# KiCad board AsicsBoard - 16xBM1368 - 01A.kicad_pcb (continued)
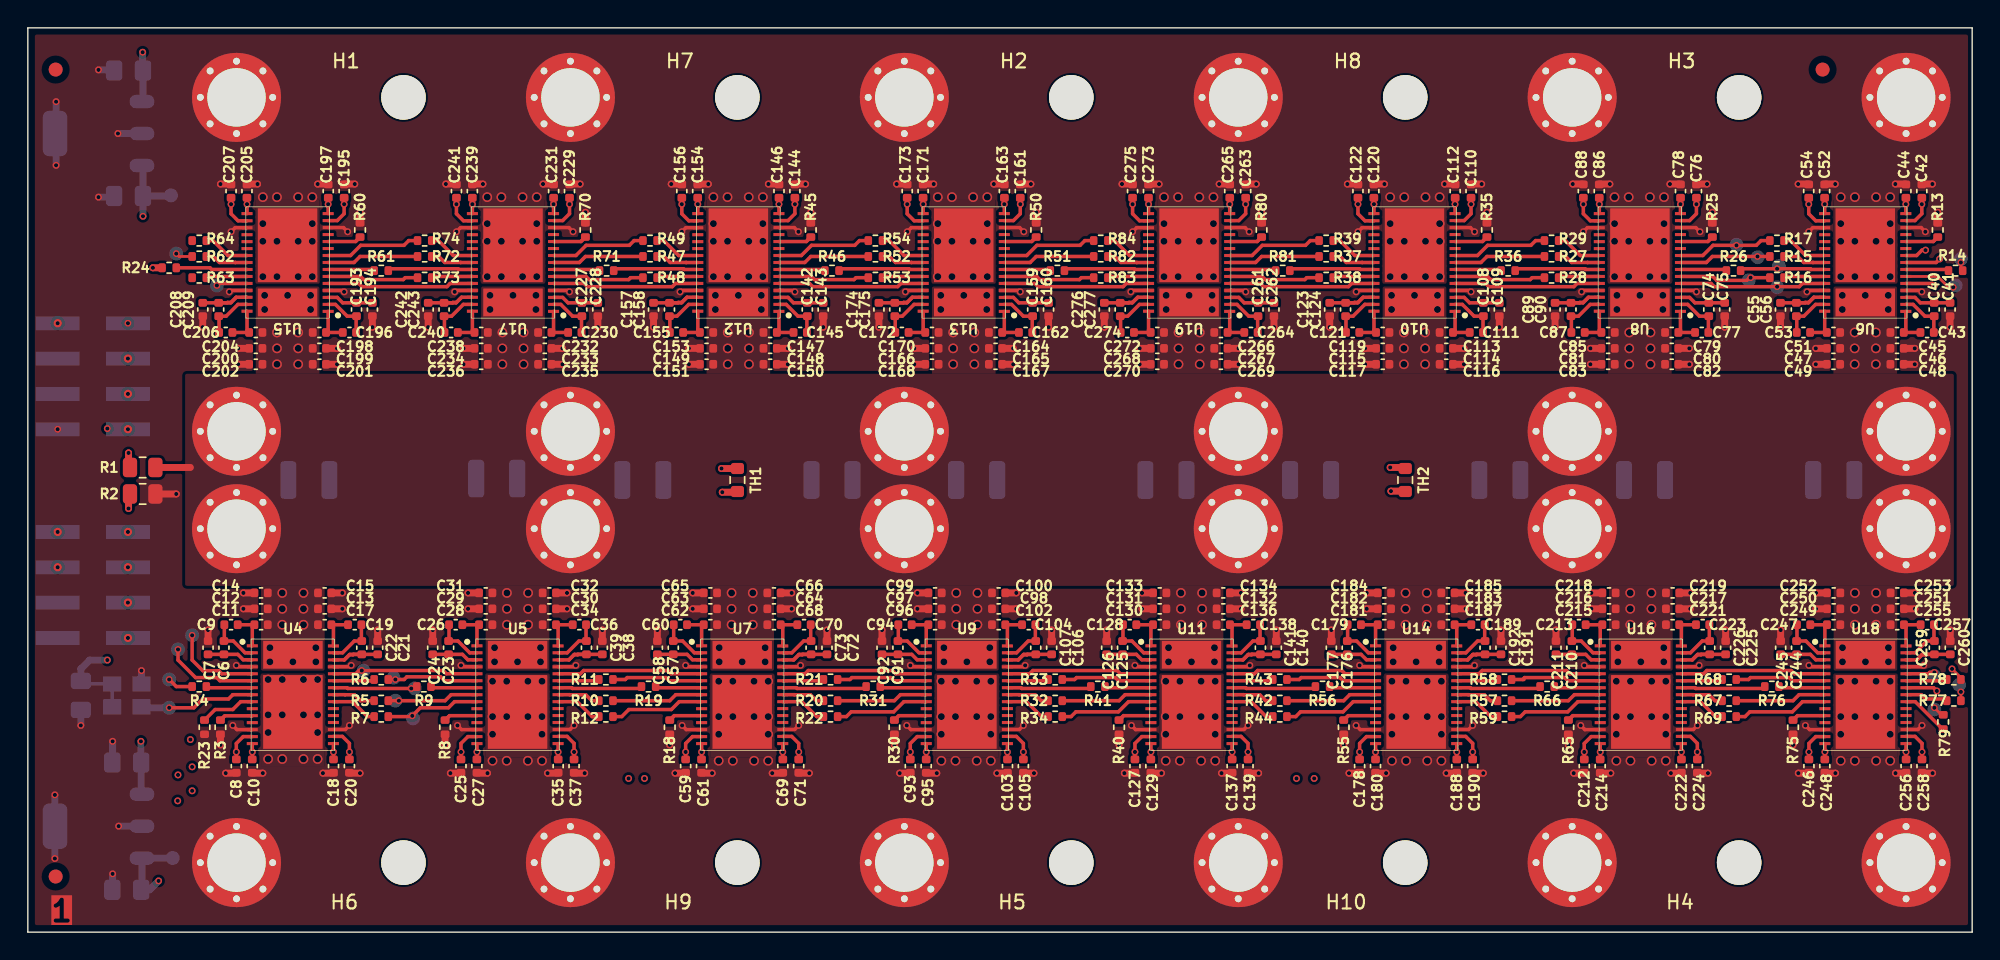
[diagram p0: board, top side]
## Routing (per net, layer and track width the routed paths; a pad name or vN(x,y) marks a point on that pad's centre or on a via; arc(x,y) is an arc through that point) (continued)
+1.2V: length 390.5
  Top w0.25: 112.95,51.65 v1(112.95,52.32) 112.95,52.78 ; 86.38,51.65 v1(86.38,52.32) 86.38,52.78 ; 48.15,52.78 v1(48.15,52.32) 48.15,51.65 ; 135,12.42 v1(135,12.95) U18.16 ; U4.15 v1(16.13,12.95) 16.13,12.42 ; U18.15 v1(129.16,12.95) 129.16,12.42 ; 15.75,52.78 v1(15.75,52.32) 15.75,51.65 ; 70.18,52.78 v1(70.18,52.32) 70.18,51.65 ; 21.59,51.65 v1(21.59,52.32) 21.59,52.78 ; 31.95,52.78 v1(31.95,52.32) 31.95,51.65 ; 129.15,52.78 v1(129.15,52.32) 129.15,51.65 ; 86.55,12.42 v1(86.55,12.95) U11.16 ; 48.43,12.42 v1(48.43,12.95) U7.15 ; 96.87,12.42 v1(96.87,12.95) U14.15 ; U16.16 v1(118.85,12.95) 118.85,12.42 ; 53.99,52.78 v1(53.99,52.32) 53.99,51.65 ; 102.58,51.65 v1(102.58,52.32) 102.58,52.78 ; U9.15 v1(64.58,12.95) 64.58,12.42 ; 113.02,12.42 v1(113.02,12.95) U16.15 ; 21.97,12.42 v1(21.97,12.95) U4.16 ; U11.15 v1(80.72,12.95) 80.72,12.42 ; 32.28,12.42 v1(32.28,12.95) U5.15 ; 80.55,52.78 v1(80.55,52.32) 80.55,51.65 ; 64.35,51.65 v1(64.35,52.32) 64.35,52.78 ; 37.79,52.78 v1(37.79,52.32) 37.79,51.65 ; 96.75,51.65 v1(96.75,52.32) 96.75,52.78 ; U7.16 v1(54.26,12.95) 54.26,12.42 ; U9.16 v1(70.41,12.95) 70.41,12.42 ; 134.98,51.65 v1(134.98,52.32) 134.98,52.78 ; 38.11,12.42 v1(38.11,12.95) U5.16 ; 102.7,12.42 v1(102.7,12.95) U14.16 ; 118.78,51.65 v1(118.78,52.32) 118.78,52.78
  Top w0.5: 9.65,47.75 v1(8.99,47.75)
  In1.Cu w0.25: v1(134.98,52.32) 134.98,44.09 138.53,40.55 138.53,24.48 135,20.95 v1(135,12.95)
  In1.Cu w0.5: v1(11.68,13.84) 13.27,12.25 15.43,12.25 v1(16.13,12.95) ; v2(7.19,36.15) 5.76,36.15 v1(5.72,36.19)
  In2.Cu w0.25: v1(16.13,12.95) 16.3,13.12 21.8,13.12 v1(21.97,12.95) 22.54,12.38 31.71,12.38 v1(32.28,12.95) 32.32,12.99 38.07,12.99 v1(38.11,12.95) 38.69,12.38 47.85,12.38 v1(48.43,12.95) 48.47,12.99 54.22,12.99 v1(54.26,12.95) 54.84,12.38 64,12.38 v1(64.58,12.95) 64.62,12.99 70.37,12.99 v1(70.41,12.95) 70.98,12.38 80.15,12.38 v1(80.72,12.95) 80.76,12.99 86.51,12.99 v1(86.55,12.95) 87.13,12.38 96.29,12.38 v1(96.87,12.95) 96.91,12.99 102.66,12.99 v1(102.7,12.95) 103.28,12.38 112.44,12.38 v1(113.02,12.95) 113.06,12.99 118.81,12.99 v1(118.85,12.95) 119.42,12.38 128.59,12.38 v1(129.16,12.95) 129.2,12.99 134.96,12.99 v1(135,12.95) ; v1(15.75,52.32) 15.92,52.16 21.42,52.16 v1(21.59,52.32) 22.16,52.9 31.38,52.9 v1(31.95,52.32) 32.12,52.16 37.62,52.16 v1(37.79,52.32) 38.36,52.9 47.58,52.9 v1(48.15,52.32) 48.32,52.16 53.82,52.16 v1(53.99,52.32) 54.56,52.9 63.78,52.9 v1(64.35,52.32) 64.52,52.16 70.02,52.16 v1(70.18,52.32) 70.76,52.9 79.98,52.9 v1(80.55,52.32) 80.72,52.16 86.22,52.16 v1(86.38,52.32) 86.96,52.9 96.18,52.9 v1(96.75,52.32) 96.92,52.16 102.42,52.16 v1(102.58,52.32) 103.16,52.9 112.38,52.9 v1(112.95,52.32) 113.12,52.16 118.62,52.16 v1(118.78,52.32) 119.36,52.9 128.58,52.9 v1(129.15,52.32) 129.32,52.16 134.82,52.16 v1(134.98,52.32)
  In2.Cu w0.5: v1(8.99,47.75) 8.99,50.74 v1(8.28,51.46) 5.72,48.89 v1(5.72,36.19) 5.72,18.54 10.41,13.84 v1(11.68,13.84)
  Bottom w0.25: U3.4 U3.1 4.02,17.84
  Bottom w0.5: v1(5.72,19.56) 4.44,19.56 3.81,18.92 C5.1 ; C4.1 v1(8.28,51.46) ; C4.1 10.24,52.92 ; C4.1 8.28,55.03
+5V_STDBY: length 61.7
  In2.Cu w0.5: v1(8.25,63.25) 4.57,59.56 4.57,55.73 2.14,53.3 v2(2.14,43.77) 4.06,41.85 4.06,17.78 v1(8.13,13.72)
  Bottom w0.5: v1(8.13,13.72) 8.13,12.21 ; C1.1 8.15,9.98 ; v1(8.25,63.25) 8.25,61.95 ; C2.1 8.28,59.78
/ASICs/ASICs_BM1368_1/BM1368-0/VDD1_0: length 3.3
  Top w0.25: U4.3 15.48,19.58 15.09,19.97 C6.2
/ASICs/ASICs_BM1368_1/BM1368-0/VDD1_1: length 4.8
  Top w0.25: 22.75,19.57 23.11,19.94 23.37,19.94 23.4,19.97 C22.1 ; 22.75,19.57 U4.28 ; 22.75,19.57 23.14,19.97 C21.2
/ASICs/ASICs_BM1368_1/BM1368-0/VDD2_0: length 3.5
  Top w0.25: U4.2 15.61,20.08 14.77,20.93 C7.2 ; C9.1 14.12,20.95
/ASICs/ASICs_BM1368_1/BM1368-0/VDD2_1: length 3.5
  Top w0.25: C21.1 23.47,20.93 22.62,20.08 U4.29 ; C19.2 23.97,20.95
/ASICs/ASICs_BM1368_1/BM1368-0/VDD3_0: length 2.6
  Top w0.25: U4.1 16.13,21.95 ; C11.1 15.08,22.1
/ASICs/ASICs_BM1368_1/BM1368-0/VDD3_1: length 2.6
  Top w0.25: U4.30 21.97,21.95 ; C17.2 C19.1
/ASICs/ASICs_BM1368_1/BM1368-1/VDD1_0: length 3.3
  Top w0.25: C23.2 31.24,19.97 31.63,19.58 U5.3
/ASICs/ASICs_BM1368_1/BM1368-1/VDD1_1: length 4.8
  Top w0.25: U5.28 38.89,19.57 ; 38.89,19.57 39.29,19.97 C38.2 ; 38.89,19.57 39.26,19.94 39.52,19.94 39.54,19.97 C39.1
/ASICs/ASICs_BM1368_1/BM1368-1/VDD2_0: length 3.5
  Top w0.25: C24.2 30.92,20.93 31.76,20.08 U5.2 ; C26.1 30.27,20.95
/ASICs/ASICs_BM1368_1/BM1368-1/VDD2_1: length 3.5
  Top w0.25: C38.1 39.61,20.93 38.77,20.08 U5.29 ; C36.2 40.12,20.95
/ASICs/ASICs_BM1368_1/BM1368-1/VDD3_0: length 2.6
  Top w0.25: C28.1 C26.2 ; U5.1 32.28,21.95
/ASICs/ASICs_BM1368_1/BM1368-1/VDD3_1: length 2.6
  Top w0.25: C34.2 C36.1 ; U5.30 38.11,21.95
/ASICs/ASICs_BM1368_1/BM1368-2/VDD1_0: length 3.3
  Top w0.25: C57.2 47.39,19.97 47.77,19.58 U7.3
/ASICs/ASICs_BM1368_1/BM1368-2/VDD1_1: length 4.8
  Top w0.25: C73.1 55.69,19.97 55.66,19.94 55.41,19.94 55.04,19.57 ; C72.2 55.44,19.97 55.04,19.57 ; 55.04,19.57 U7.28
/ASICs/ASICs_BM1368_1/BM1368-2/VDD2_0: length 3.5
  Top w0.25: C60.1 46.42,20.95 ; C58.2 47.06,20.93 47.91,20.08 U7.2
/ASICs/ASICs_BM1368_1/BM1368-2/VDD2_1: length 3.5
  Top w0.25: C70.2 56.27,20.95 ; U7.29 54.91,20.08 55.76,20.93 C72.1
/ASICs/ASICs_BM1368_1/BM1368-2/VDD3_0: length 2.6
  Top w0.25: C62.1 C60.2 ; U7.1 48.43,21.95
/ASICs/ASICs_BM1368_1/BM1368-2/VDD3_1: length 2.6
  Top w0.25: C68.2 C70.1 ; U7.30 54.26,21.95
/ASICs/ASICs_BM1368_1/BM1368-3/VDD1_0: length 3.3
  Top w0.25: C91.2 63.53,19.97 63.92,19.58 U9.3
/ASICs/ASICs_BM1368_1/BM1368-3/VDD1_1: length 4.8
  Top w0.25: 71.19,19.57 71.58,19.97 C106.2 ; 71.19,19.57 71.56,19.94 71.81,19.94 71.84,19.97 C107.1 ; 71.19,19.57 U9.28
/ASICs/ASICs_BM1368_1/BM1368-3/VDD2_0: length 3.5
  Top w0.25: C94.1 62.57,20.95 ; U9.2 64.06,20.08 63.21,20.93 C92.2
/ASICs/ASICs_BM1368_1/BM1368-3/VDD2_1: length 3.5
  Top w0.25: C106.1 71.91,20.93 71.06,20.08 U9.29 ; C104.2 72.42,20.95
/ASICs/ASICs_BM1368_1/BM1368-3/VDD3_0: length 2.6
  Top w0.25: C96.1 C94.2 ; U9.1 64.58,21.95
/ASICs/ASICs_BM1368_1/BM1368-3/VDD3_1: length 2.6
  Top w0.25: C102.2 C104.1 ; U9.30 70.41,21.95
/ASICs/ASICs_BM1368_1/BM1368-4/VDD1_0: length 3.3
  Top w0.25: U11.3 80.07,19.58 79.68,19.97 C125.2
/ASICs/ASICs_BM1368_1/BM1368-4/VDD1_1: length 4.8
  Top w0.25: 87.33,19.57 87.7,19.94 87.96,19.94 87.98,19.97 C141.1 ; 87.33,19.57 87.73,19.97 C140.2 ; 87.33,19.57 U11.28
/ASICs/ASICs_BM1368_1/BM1368-4/VDD2_0: length 3.5
  Top w0.25: C128.1 78.71,20.95 ; C126.2 79.36,20.93 80.2,20.08 U11.2
/ASICs/ASICs_BM1368_1/BM1368-4/VDD2_1: length 3.5
  Top w0.25: C140.1 88.05,20.93 87.21,20.08 U11.29 ; C138.2 88.56,20.95
/ASICs/ASICs_BM1368_1/BM1368-4/VDD3_0: length 2.6
  Top w0.25: U11.1 80.72,21.95 ; C130.1 C128.2
/ASICs/ASICs_BM1368_1/BM1368-4/VDD3_1: length 2.6
  Top w0.25: C136.2 C138.1 ; U11.30 86.55,21.95
/ASICs/ASICs_BM1368_1/BM1368-5/VDD1_0: length 3.3
  Top w0.25: C176.2 95.83,19.97 96.22,19.58 U14.3
/ASICs/ASICs_BM1368_1/BM1368-5/VDD1_1: length 4.8
  Top w0.25: 103.48,19.57 103.88,19.97 C191.2 ; 103.48,19.57 U14.28 ; 103.48,19.57 103.85,19.94 104.1,19.94 104.13,19.97 C192.1
/ASICs/ASICs_BM1368_1/BM1368-5/VDD2_0: length 3.5
  Top w0.25: C177.2 95.5,20.93 96.35,20.08 U14.2 ; C179.1 94.86,20.95
/ASICs/ASICs_BM1368_1/BM1368-5/VDD2_1: length 3.5
  Top w0.25: C191.1 104.2,20.93 103.36,20.08 U14.29 ; C189.2 104.71,20.95
/ASICs/ASICs_BM1368_1/BM1368-5/VDD3_0: length 2.6
  Top w0.25: U14.1 96.87,21.95 ; C181.1 C179.2
/ASICs/ASICs_BM1368_1/BM1368-5/VDD3_1: length 2.6
  Top w0.25: C187.2 C189.1 ; U14.30 102.7,21.95
/ASICs/ASICs_BM1368_1/BM1368-6/VDD1_0: length 3.3
  Top w0.25: U16.3 112.36,19.58 111.97,19.97 C210.2
/ASICs/ASICs_BM1368_1/BM1368-6/VDD1_1: length 4.8
  Top w0.25: C226.1 120.28,19.97 120.25,19.94 120,19.94 119.63,19.57 ; C225.2 120.02,19.97 119.63,19.57 ; U16.28 119.63,19.57
/ASICs/ASICs_BM1368_1/BM1368-6/VDD2_0: length 3.5
  Top w0.25: C213.1 111.01,20.95 ; C211.2 111.65,20.93 112.5,20.08 U16.2
/ASICs/ASICs_BM1368_1/BM1368-6/VDD2_1: length 3.5
  Top w0.25: U16.29 119.5,20.08 120.35,20.93 C225.1 ; C223.2 120.86,20.95
/ASICs/ASICs_BM1368_1/BM1368-6/VDD3_0: length 2.6
  Top w0.25: U16.1 113.02,21.95 ; C215.1 C213.2
/ASICs/ASICs_BM1368_1/BM1368-6/VDD3_1: length 2.6
  Top w0.25: U16.30 118.85,21.95 ; C221.2 C223.1
/ASICs/ASICs_BM1368_1/BM1368-7/VDD1_0: length 3.3
  Top w0.25: U18.3 128.51,19.58 128.12,19.97 C244.2
/ASICs/ASICs_BM1368_1/BM1368-7/VDD1_1: length 4.8
  Top w0.25: 135.78,19.57 136.14,19.94 136.4,19.94 136.43,19.97 C260.1 ; 135.78,19.57 136.17,19.97 C259.2 ; 135.78,19.57 U18.28
/ASICs/ASICs_BM1368_1/BM1368-7/VDD2_0: length 3.5
  Top w0.25: C247.1 127.16,20.95 ; C245.2 127.8,20.93 128.64,20.08 U18.2
/ASICs/ASICs_BM1368_1/BM1368-7/VDD2_1: length 3.5
  Top w0.25: U18.29 135.65,20.08 136.5,20.93 C259.1 ; C257.2 137,20.95
/ASICs/ASICs_BM1368_1/BM1368-7/VDD3_0: length 2.6
  Top w0.25: C249.1 128.12,22.1 ; U18.1 129.16,21.95
/ASICs/ASICs_BM1368_1/BM1368-7/VDD3_1: length 2.6
  Top w0.25: C255.2 136.04,22.1 ; U18.30 135,21.95
/ASICs/ASICs_BM1368_2/BM1368-0/VDD1_0: length 3.3
  Top w0.25: C40.2 136.02,45.23 135.64,45.62 134.98,45.62
/ASICs/ASICs_BM1368_2/BM1368-0/VDD1_1: length 4.8
  Top w0.25: 128.37,45.63 128,45.26 127.75,45.26 127.72,45.23 C56.1 ; 128.37,45.63 U6.28 ; 128.37,45.63 127.97,45.23 C55.2
/ASICs/ASICs_BM1368_2/BM1368-0/VDD2_0: length 3.5
  Top w0.25: 137.02,44.28 136.35,44.28 135.5,45.12 U6.2 ; C43.1 136.99,44.25
/ASICs/ASICs_BM1368_2/BM1368-0/VDD2_1: length 3.5
  Top w0.25: C55.1 127.65,44.28 128.5,45.12 U6.29 ; C53.2 127.14,44.25
/ASICs/ASICs_BM1368_2/BM1368-0/VDD3_0: length 2.6
  Top w0.25: C45.1 C43.2 ; U6.1 134.98,43.25
/ASICs/ASICs_BM1368_2/BM1368-0/VDD3_1: length 2.6
  Top w0.25: U6.30 129.15,43.25 ; C51.2 C53.1
/ASICs/ASICs_BM1368_2/BM1368-1/VDD1_0: length 3.3
  Top w0.25: C74.2 119.83,45.23 119.44,45.62 118.78,45.62
/ASICs/ASICs_BM1368_2/BM1368-1/VDD1_1: length 4.8
  Top w0.25: C90.1 111.52,45.23 111.55,45.26 111.8,45.26 112.17,45.63 ; 112.17,45.63 111.77,45.23 C89.2 ; 112.17,45.63 U8.28
/ASICs/ASICs_BM1368_2/BM1368-1/VDD2_0: length 3.5
  Top w0.25: C77.1 120.79,44.25 ; U8.2 119.3,45.12 120.15,44.28 120.82,44.28
/ASICs/ASICs_BM1368_2/BM1368-1/VDD2_1: length 3.5
  Top w0.25: U8.29 112.3,45.12 111.45,44.28 C89.1 ; C87.2 110.94,44.25
/ASICs/ASICs_BM1368_2/BM1368-1/VDD3_0: length 2.6
  Top w0.25: U8.1 118.78,43.25 ; C79.1 C77.2
/ASICs/ASICs_BM1368_2/BM1368-1/VDD3_1: length 2.6
  Top w0.25: C85.2 C87.1 ; U8.30 112.95,43.25
/ASICs/ASICs_BM1368_2/BM1368-2/VDD1_0: length 3.3
  Top w0.25: C108.2 103.63,45.23 103.24,45.62 102.58,45.62
/ASICs/ASICs_BM1368_2/BM1368-2/VDD1_1: length 4.8
  Top w0.25: U10.28 95.97,45.63 ; 95.97,45.63 95.58,45.23 C123.2 ; 95.97,45.63 95.6,45.26 95.35,45.26 95.32,45.23 C124.1
/ASICs/ASICs_BM1368_2/BM1368-2/VDD2_0: length 3.5
  Top w0.25: 104.62,44.28 103.95,44.28 103.1,45.12 U10.2 ; C111.1 104.59,44.25
/ASICs/ASICs_BM1368_2/BM1368-2/VDD2_1: length 3.5
  Top w0.25: U10.29 96.1,45.12 95.25,44.28 C123.1 ; C121.2 94.74,44.25
/ASICs/ASICs_BM1368_2/BM1368-2/VDD3_0: length 2.6
  Top w0.25: C113.1 C111.2 ; U10.1 102.58,43.25
/ASICs/ASICs_BM1368_2/BM1368-2/VDD3_1: length 2.6
  Top w0.25: C119.2 C121.1 ; U10.30 96.75,43.25
/ASICs/ASICs_BM1368_2/BM1368-3/VDD1_0: length 3.3
  Top w0.25: C261.2 87.43,45.23 87.04,45.62 86.38,45.62
/ASICs/ASICs_BM1368_2/BM1368-3/VDD1_1: length 4.8
  Top w0.25: C277.1 79.12,45.23 79.15,45.26 79.4,45.26 79.77,45.63 ; 79.77,45.63 79.38,45.23 C276.2 ; 79.77,45.63 U19.28
/ASICs/ASICs_BM1368_2/BM1368-3/VDD2_0: length 3.5
  Top w0.25: U19.2 86.9,45.12 87.75,44.28 88.42,44.28 ; C264.1 88.39,44.25
/ASICs/ASICs_BM1368_2/BM1368-3/VDD2_1: length 3.5
  Top w0.25: C274.2 78.54,44.25 ; U19.29 79.9,45.12 79.05,44.28 C276.1
/ASICs/ASICs_BM1368_2/BM1368-3/VDD3_0: length 2.6
  Top w0.25: C266.1 C264.2 ; U19.1 86.38,43.25
/ASICs/ASICs_BM1368_2/BM1368-3/VDD3_1: length 2.6
  Top w0.25: C272.2 C274.1 ; U19.30 80.55,43.25
/ASICs/ASICs_BM1368_2/BM1368-4/VDD1_0: length 3.3
  Top w0.25: C159.2 71.23,45.23 70.84,45.62 70.18,45.62
/ASICs/ASICs_BM1368_2/BM1368-4/VDD1_1: length 4.8
  Top w0.25: C175.1 62.92,45.23 62.95,45.26 63.2,45.26 63.57,45.63 ; C174.2 63.18,45.23 63.57,45.63 ; 63.57,45.63 U13.28
/ASICs/ASICs_BM1368_2/BM1368-4/VDD2_0: length 3.5
  Top w0.25: 72.22,44.28 71.55,44.28 70.71,45.12 U13.2 ; C162.1 72.19,44.25
/ASICs/ASICs_BM1368_2/BM1368-4/VDD2_1: length 3.5
  Top w0.25: U13.29 63.7,45.12 62.85,44.28 C174.1 ; C172.2 62.34,44.25
/ASICs/ASICs_BM1368_2/BM1368-4/VDD3_0: length 2.6
  Top w0.25: C164.1 C162.2 ; U13.1 70.18,43.25
/ASICs/ASICs_BM1368_2/BM1368-4/VDD3_1: length 2.6
  Top w0.25: U13.30 64.35,43.25 ; C170.2 C172.1
/ASICs/ASICs_BM1368_2/BM1368-5/VDD1_0: length 3.3
  Top w0.25: 53.99,45.62 54.64,45.62 55.03,45.23 C142.2
/ASICs/ASICs_BM1368_2/BM1368-5/VDD1_1: length 4.8
  Top w0.25: C158.1 46.72,45.23 46.75,45.26 47.01,45.26 47.37,45.63 ; 47.37,45.63 U12.28 ; 47.37,45.63 46.98,45.23 C157.2
/ASICs/ASICs_BM1368_2/BM1368-5/VDD2_0: length 3.5
  Top w0.25: C145.1 55.99,44.25 ; 56.02,44.28 55.35,44.28 54.51,45.12 U12.2
/ASICs/ASICs_BM1368_2/BM1368-5/VDD2_1: length 3.5
  Top w0.25: C155.2 46.14,44.25 ; C157.1 46.65,44.28 47.5,45.12 U12.29
/ASICs/ASICs_BM1368_2/BM1368-5/VDD3_0: length 2.6
  Top w0.25: U12.1 53.99,43.25 ; C147.1 C145.2
/ASICs/ASICs_BM1368_2/BM1368-5/VDD3_1: length 2.6
  Top w0.25: C153.2 C155.1 ; U12.30 48.15,43.25
/ASICs/ASICs_BM1368_2/BM1368-6/VDD1_0: length 3.3
  Top w0.25: 37.79,45.62 38.44,45.62 38.83,45.23 C227.2
/ASICs/ASICs_BM1368_2/BM1368-6/VDD1_1: length 4.8
  Top w0.25: 31.18,45.63 30.81,45.26 30.55,45.26 30.52,45.23 C243.1 ; 31.18,45.63 U17.28 ; 31.18,45.63 30.78,45.23 C242.2
/ASICs/ASICs_BM1368_2/BM1368-6/VDD2_0: length 3.5
  Top w0.25: U17.2 38.31,45.12 39.15,44.28 39.82,44.28 ; C230.1 39.8,44.25
/ASICs/ASICs_BM1368_2/BM1368-6/VDD2_1: length 3.5
  Top w0.25: U17.29 31.3,45.12 30.45,44.28 C242.1 ; C240.2 29.95,44.25
/ASICs/ASICs_BM1368_2/BM1368-6/VDD3_0: length 2.6
  Top w0.25: C232.1 C230.2 ; U17.1 37.79,43.25
/ASICs/ASICs_BM1368_2/BM1368-6/VDD3_1: length 2.6
  Top w0.25: U17.30 31.95,43.25 ; C238.2 C240.1
/ASICs/ASICs_BM1368_2/BM1368-7/VDD1_0: length 3.3
  Top w0.25: 21.59,45.62 22.24,45.62 22.63,45.23 C193.2
/ASICs/ASICs_BM1368_2/BM1368-7/VDD1_1: length 4.8
  Top w0.25: 14.98,45.63 14.58,45.23 C208.2 ; 14.98,45.63 14.61,45.26 14.35,45.26 14.33,45.23 C209.1 ; 14.98,45.63 U15.28
/ASICs/ASICs_BM1368_2/BM1368-7/VDD2_0: length 3.5
  Top w0.25: U15.2 22.11,45.12 22.95,44.28 23.62,44.28 ; C196.1 23.6,44.25
/ASICs/ASICs_BM1368_2/BM1368-7/VDD2_1: length 3.5
  Top w0.25: U15.29 15.1,45.12 14.26,44.28 C208.1 ; C206.2 13.75,44.25
/ASICs/ASICs_BM1368_2/BM1368-7/VDD3_0: length 2.6
  Top w0.25: U15.1 21.59,43.25 ; C198.1 C196.2
/ASICs/ASICs_BM1368_2/BM1368-7/VDD3_1: length 2.6
  Top w0.25: C204.2 C206.1 ; U15.30 15.75,43.25
GND: length 239.3
  Top w0.25: v1(111.68,46.03) 111.78,46.12 U8.27 ; U8.18 112.09,50.63 v1(111.8,50.34) ; v1(39.19,50.34) 38.89,50.64 U17.13 ; v1(136.38,50.34) 136.08,50.64 U6.13 ; U18.13 128.06,14.56 v1(127.76,14.86) ; v1(95.72,19.18) 95.82,19.08 U14.4 ; v1(14.48,46.03) 14.58,46.12 U15.27 ; v1(55.39,50.34) 55.09,50.64 U12.13 ; U6.18 128.29,50.63 v1(128,50.34) ; v1(63.17,14.86) 63.47,14.56 U9.13 ; U18.18 135.85,14.57 v1(136.14,14.86) ; v1(120.18,50.34) 119.88,50.64 U8.13 ; v1(103.98,19.18) 103.88,19.08 U14.27 ; v1(23.11,14.86) 22.83,14.57 U4.18 ; U9.27 71.58,19.08 v1(71.68,19.18) ; v1(22.99,50.34) 22.69,50.64 U15.13 ; U6.27 127.98,46.12 v1(127.88,46.03) ; U19.4 87.43,46.12 v1(87.53,46.03) ; U7.4 47.38,19.08 v1(47.28,19.18) ; v1(95.6,50.34) 95.89,50.63 U10.18 ; v1(95.48,46.03) 95.58,46.12 U10.27 ; v1(71.59,50.34) 71.29,50.64 U13.13 ; U7.27 55.44,19.08 v1(55.54,19.18) ; v1(120.12,19.18) 120.02,19.08 U16.27 ; U12.27 46.98,46.12 v1(46.88,46.03) ; v1(79.32,14.86) 79.62,14.56 U11.13 ; U11.4 79.67,19.08 v1(79.57,19.18) ; v1(136.13,46.03) 136.03,46.12 U6.4 ; v1(71.56,14.86) 71.27,14.57 U9.18 ; U19.27 79.38,46.12 v1(79.28,46.03) ; v1(55.41,14.86) 55.12,14.57 U7.18 ; U14.13 95.77,14.56 v1(95.47,14.86) ; v1(128.02,19.18) 128.12,19.08 U18.4 ; v1(47.03,14.86) 47.33,14.56 U7.13 ; v1(39.26,14.86) 38.97,14.57 U5.18 ; U13.27 63.18,46.12 v1(63.08,46.03) ; U12.4 55.03,46.12 v1(55.13,46.03) ; U19.18 79.69,50.63 v1(79.4,50.34) ; v1(14.99,19.18) 15.09,19.08 U4.4 ; U4.27 23.14,19.08 v1(23.24,19.18) ; U18.27 136.17,19.08 v1(136.27,19.18) ; v1(71.33,46.03) 71.23,46.12 U13.4 ; v1(30.88,14.86) 31.18,14.56 U5.13 ; U15.18 14.9,50.63 v1(14.61,50.34) ; v1(22.73,46.03) 22.64,46.12 U15.4 ; U16.18 119.71,14.57 v1(120,14.86) ; U16.4 111.97,19.08 v1(111.87,19.18) ; U14.18 103.56,14.57 v1(103.85,14.86) ; v1(87.79,50.34) 87.49,50.64 U19.13 ; U10.13 103.69,50.64 v1(103.99,50.34) ; U5.27 39.29,19.08 v1(39.39,19.18) ; U10.4 103.63,46.12 v1(103.73,46.03) ; U17.27 30.78,46.12 v1(30.68,46.03) ; v1(31.13,19.18) 31.23,19.08 U5.4 ; U11.18 87.41,14.57 v1(87.7,14.86) ; v1(30.81,50.34) 31.1,50.63 U17.18 ; v1(14.73,14.86) 15.03,14.56 U4.13 ; U16.13 111.91,14.56 v1(111.61,14.86) ; U12.18 47.29,50.63 v1(47.01,50.34) ; U9.4 63.53,19.08 v1(63.43,19.18) ; U17.4 38.83,46.12 v1(38.93,46.03) ; v1(63.2,50.34) 63.49,50.63 U13.18 ; U11.27 87.73,19.08 v1(87.83,19.18) ; v1(119.93,46.03) 119.83,46.12 U8.4
  Top w0.5: 47.28,11.43 v1(46.52,11.43) ; 129.29,23.24 v1(128.52,23.24) ; 96.87,41.96 v1(96.11,41.96) ; 64.7,24.38 v1(63.94,24.38) ; 48.55,23.24 v1(47.79,23.24) ; 80.84,24.38 v1(80.08,24.38) ; 102.46,41.96 v1(103.22,41.96) ; 121.96,44.25 v1(121.96,43.48) ; 113.07,41.96 v1(112.31,41.96) ; 55.41,11.43 v1(56.17,11.43) ; 40.08,50.98 v1(40.08,51.74) ; 37.79,53.77 v1(37.03,53.77) ; 70.06,41.96 v1(70.82,41.96) ; 103.73,53.77 v1(104.49,53.77) ; 32.4,23.24 v1(31.64,23.24) ; 71.56,11.43 v1(72.32,11.43) ; 32.4,24.38 v1(31.64,24.38) ; 24.77,44.25 v1(24.77,43.48) ; 70.29,23.24 v1(71.05,23.24) ; 53.86,41.96 v1(54.63,41.96) ; 86.43,24.38 v1(87.19,24.38) ; 22.73,53.77 v1(23.5,53.77) ; 64.35,53.77 v1(65.11,53.77) ; 102.59,53.77 v1(101.83,53.77) ; 21.84,23.24 v1(22.61,23.24) ; 54.14,24.38 v1(54.9,24.38) ; 25.15,20.95 v1(25.15,21.72) ; 86.39,53.77 v1(85.63,53.77) ; 88.68,50.98 v1(88.68,51.74) ; 134.86,41.96 v1(135.62,41.96) ; 70.41,11.43 v1(69.65,11.43) ; 14.61,53.77 v1(13.84,53.77) ; 53.99,53.77 v1(53.23,53.77) ; 109.84,20.95 v1(109.84,21.72) ; 96.99,24.38 v1(96.23,24.38) ; 79.4,53.77 v1(78.64,53.77) ; 71.33,53.77 v1(72.09,53.77) ; 64.47,40.82 v1(63.71,40.82) ; 86.26,40.82 v1(87.02,40.82) ; 89.73,20.95 v1(89.73,21.72) ; 32.08,40.82 v1(31.31,40.82) ; 95.72,11.43 v1(94.96,11.43) ; 119.93,53.77 v1(120.69,53.77) ; 55.13,53.77 v1(55.9,53.77) ; 87.53,53.77 v1(88.29,53.77) ; 9.25,31.5 v1(10.67,31.5) ; 32.08,41.96 v1(31.31,41.96) ; 44.97,44.25 v1(44.97,43.48) ; 62.28,14.22 v1(62.28,13.46) ; 118.73,23.24 v1(119.49,23.24) ; 105.88,20.95 v1(105.88,21.72) ; 41.29,20.95 v1(41.29,21.72) ; 80.67,40.82 v1(79.91,40.82) ; 129.15,53.77 v1(129.91,53.77) ; 118.79,53.77 v1(118.03,53.77) ; 31.95,53.77 v1(32.71,53.77) ; 40.97,44.25 v1(40.97,43.48) ; 64.47,41.96 v1(63.71,41.96) ; 21.59,53.77 v1(20.83,53.77) ; 128.02,11.43 v1(127.25,11.43) ; 87.7,11.43 v1(88.46,11.43) ; 31.13,11.43 v1(30.37,11.43) ; 32.28,11.43 v1(33.04,11.43) ; 46.14,14.22 v1(46.14,13.46) ; 110.73,14.22 v1(110.73,13.46) ; 137.27,50.98 v1(137.27,51.74) ; 21.47,41.96 v1(22.23,41.96) ; 47.01,53.77 v1(46.24,53.77) ; 125.97,44.25 v1(125.97,43.48) ; 109.77,44.25 v1(109.77,43.48) ; 134.87,24.38 v1(135.64,24.38) ; 138.16,44.25 v1(138.16,43.48) ; 134.87,23.24 v1(135.64,23.24) ; 54.14,23.24 v1(54.9,23.24) ; 21.47,40.82 v1(22.23,40.82) ; 113.01,11.43 v1(113.77,11.43) ; 102.58,23.24 v1(103.34,23.24) ; 105.76,44.25 v1(105.76,43.48) ; 12.58,44.25 v1(12.58,43.48) ; 80.72,11.43 v1(81.48,11.43) ; 70.19,53.77 v1(69.43,53.77) ; 118.66,40.82 v1(119.42,40.82) ; 129.27,40.82 v1(128.51,40.82) ; 53.86,40.82 v1(54.63,40.82) ; 37.66,41.96 v1(38.43,41.96) ; 121.07,50.98 v1(121.07,51.74) ; 102.46,40.82 v1(103.22,40.82) ; 77.54,20.95 v1(77.54,21.72) ; 70.29,24.38 v1(71.05,24.38) ; 45.25,20.95 v1(45.25,21.72) ; 73.59,20.95 v1(73.59,21.72) ; 125.98,20.95 v1(125.98,21.72) ; 136.14,11.43 v1(136.91,11.43) ; 48.42,11.43 v1(49.19,11.43) ; 56.28,50.98 v1(56.28,51.74) ; 30.81,53.77 v1(30.04,53.77) ; 80.55,53.77 v1(81.31,53.77) ; 39.26,11.43 v1(40.02,11.43) ; 64.57,11.43 v1(65.33,11.43) ; 37.99,23.24 v1(38.75,23.24) ; 28.77,44.25 v1(28.77,43.48) ; 80.67,41.96 v1(79.91,41.96) ; 86.26,41.96 v1(87.02,41.96) ; 23.88,50.98 v1(23.88,51.74) ; 73.36,44.25 v1(73.36,43.48) ; 96.87,40.82 v1(96.11,40.82) ; 61.4,20.95 v1(61.4,21.72) ; 23.11,11.43 v1(23.88,11.43) ; 48.55,24.38 v1(47.79,24.38) ; 118.66,41.96 v1(119.42,41.96) ; 128,53.77 v1(127.24,53.77) ; 120,11.43 v1(120.76,11.43) ; 136.13,53.77 v1(136.89,53.77) ; 96.75,53.77 v1(97.51,53.77) ; 15.75,53.77 v1(16.51,53.77) ; 89.56,44.25 v1(89.56,43.48) ; 29.99,14.22 v1(29.99,13.46) ; 57.44,20.95 v1(57.44,21.72) ; 48.28,41.96 v1(47.51,41.96) ; 38.93,53.77 v1(39.7,53.77) ; 38.12,11.43 v1(37.36,11.43) ; 134.99,53.77 v1(134.23,53.77) ; 78.43,14.22 v1(78.43,13.46) ; 63.2,53.77 v1(62.44,53.77) ; 16.13,11.43 v1(16.89,11.43) ; 129.16,11.43 v1(129.92,11.43) ; 102.58,24.38 v1(103.34,24.38) ; 129.27,41.96 v1(128.51,41.96) ; 37.99,24.38 v1(38.75,24.38) ; 94.58,14.22 v1(94.58,13.46) ; 104.87,50.98 v1(104.87,51.74) ; 15.88,41.96 v1(15.11,41.96) ; 95.6,53.77 v1(94.84,53.77) ; 37.66,40.82 v1(38.43,40.82) ; 135,11.43 v1(134.24,11.43) ; 103.85,11.43 v1(104.61,11.43) ; 102.71,11.43 v1(101.94,11.43) ; 48.28,40.82 v1(47.51,40.82) ; 54.27,11.43 v1(53.5,11.43) ; 93.57,44.25 v1(93.57,43.48) ; 113.14,23.24 v1(112.38,23.24) ; 72.48,50.98 v1(72.48,51.74) ; 29.1,20.95 v1(29.1,21.72) ; 113.07,40.82 v1(112.31,40.82) ; 21.84,24.38 v1(22.61,24.38) ; 15.88,40.82 v1(15.11,40.82) ; 79.57,11.43 v1(78.81,11.43) ; 86.43,23.24 v1(87.19,23.24) ; 96.99,23.24 v1(96.23,23.24) ; 111.8,53.77 v1(111.04,53.77) ; 134.86,40.82 v1(135.62,40.82) ; 118.85,11.43 v1(118.09,11.43) ; 122.03,20.95 v1(122.03,21.72) ; 16.26,23.24 v1(15.49,23.24) ; 57.17,44.25 v1(57.17,43.48) ; 12.95,20.95 v1(12.95,21.72) ; 21.97,11.43 v1(21.21,11.43) ; 70.06,40.82 v1(70.82,40.82) ; 77.37,44.25 v1(77.37,43.48) ; 48.15,53.77 v1(48.91,53.77) ; 64.7,23.24 v1(63.94,23.24) ; 96.86,11.43 v1(97.63,11.43) ; 13.84,14.22 v1(13.84,13.46) ; 80.84,23.24 v1(80.08,23.24) ; 14.99,11.43 v1(14.22,11.43) ; 63.43,11.43 v1(62.67,11.43) ; 112.95,53.77 v1(113.71,53.77) ; 129.29,24.38 v1(128.52,24.38) ; 16.26,24.38 v1(15.49,24.38) ; 113.14,24.38 v1(112.38,24.38) ; 86.56,11.43 v1(85.8,11.43) ; 138.18,20.95 v1(138.18,21.72) ; 61.17,44.25 v1(61.17,43.48) ; 111.87,11.43 v1(111.11,11.43) ; 126.87,14.22 v1(126.87,13.46) ; 93.69,20.95 v1(93.69,21.72) ; 118.73,24.38 v1(119.49,24.38)
  Bottom w0.5: 1.94,7.5 v1(1.94,5.3) ; 3.81,16 v1(3.81,14.86) ; 2.03,57.33 v1(2.03,55.12) ; 8.25,7.62 v1(6.53,7.62) ; 6.1,3.05 v1(6.1,4.19) ; 2.03,57.48 v1(2.03,59.69) ; 6.1,12.57 v1(6.1,13.72) ; 6.22,61.98 v1(5.08,61.98) ; U1.2 v1(6.48,57.4) ; 1.94,7.66 v1(1.94,9.87) ; v1(8.17,18.8) 8.17,17.82 ; 6.22,52.83 v1(5.08,52.83)
  vias: v1(2.14,36.15) v3(16.89,52.83) v3(16.89,50.93) v3(16.89,49.66) v3(16.89,47.12) v3(17.27,18.16) v3(17.27,15.62) v3(17.27,14.35) v3(17.27,12.45) v3(17.91,52.83) v3(17.91,49.66) v3(17.91,47.12) v3(18.29,18.16) v3(18.29,15.62) v3(18.29,12.45) v3(19.43,52.83) v3(19.43,49.66) v3(19.43,47.12) v3(19.81,18.16) v3(19.81,15.62) v3(19.81,12.45) v3(20.45,52.83) v3(20.45,50.93) v3(20.45,49.66) v3(20.45,47.12) v3(20.83,18.16) v3(20.83,15.62) v3(20.83,14.35) v3(20.83,12.45) v3(33.02,52.83) v3(33.02,50.93) v3(33.02,49.66) v3(33.02,47.12) v3(33.4,18.03) v3(33.4,15.49) v3(33.4,14.22) v3(33.4,12.32) v3(34.04,52.83) v3(34.04,49.66) v3(34.04,47.12) v3(34.42,18.03) v3(34.42,15.49) v3(34.42,12.32) v3(35.56,52.83) v3(35.56,49.66) v3(35.56,47.12) v3(35.94,18.03) v3(35.94,15.49) v3(35.94,12.32) v3(36.58,52.83) v3(36.58,50.93) v3(36.58,49.66) v3(36.58,47.12) v3(36.96,18.03) v3(36.96,15.49) v3(36.96,14.22) v3(36.96,12.32) v3(49.28,52.83) v3(49.28,50.93) v3(49.28,49.66) v3(49.28,47.12) v3(49.66,18.03) v3(49.66,15.49) v3(49.66,14.22) v3(49.66,12.32) v3(50.29,52.83) v3(50.29,49.66) v3(50.29,47.12) v3(50.67,18.03) v3(50.67,15.49) v3(50.67,12.32) v3(51.82,52.83) v3(51.82,49.66) v3(51.82,47.12) v3(52.2,18.03) v3(52.2,15.49) v3(52.2,12.32) v3(52.83,52.83) v3(52.83,50.93) v3(52.83,49.66) v3(52.83,47.12) v3(53.21,18.03) v3(53.21,15.49) v3(53.21,14.22) v3(53.21,12.32) v3(65.41,52.83) v3(65.41,50.93) v3(65.41,49.66) v3(65.41,47.12) v3(65.66,18.03) v3(65.66,15.49) v3(65.66,14.22) v3(65.66,12.32) v3(66.42,52.83) v3(66.42,49.66) v3(66.42,47.12) v3(66.68,18.03) v3(66.68,15.49) v3(66.68,12.32) v3(67.94,52.83) v3(67.94,49.66) v3(67.94,47.12) v3(68.2,18.03) v3(68.2,15.49) v3(68.2,12.32) v3(68.96,52.83) v3(68.96,50.93) v3(68.96,49.66) v3(68.96,47.12) v3(69.22,18.03) v3(69.22,15.49) v3(69.22,14.22) v3(69.22,12.32) v3(81.66,52.83) v3(81.66,50.93) v3(81.66,49.66) v3(81.66,47.12) v3(81.79,18.03) v3(81.79,15.49) v3(81.79,14.22) v3(81.79,12.32) v3(82.68,52.83) v3(82.68,49.66) v3(82.68,47.12) v3(82.8,18.03) v3(82.8,15.49) v3(82.8,12.32) v3(84.2,52.83) v3(84.2,49.66) v3(84.2,47.12) v3(84.33,18.03) v3(84.33,15.49) v3(84.33,12.32) v3(85.22,52.83) v3(85.22,50.93) v3(85.22,49.66) v3(85.22,47.12) v3(85.34,18.03) v3(85.34,15.49) v3(85.34,14.22) v3(85.34,12.32) v3(97.92,52.83) v3(97.92,50.93) v3(97.92,49.66) v3(97.92,47.12) v3(98.04,18.03) v3(98.04,15.49) v3(98.04,14.22) v3(98.04,12.32) v3(98.93,52.83) v3(98.93,49.66) v3(98.93,47.12) v3(99.06,18.03) v3(99.06,15.49) v3(99.06,12.32) v3(100.46,52.83) v3(100.46,49.66) v3(100.46,47.12) v3(100.58,18.03) v3(100.58,15.49) v3(100.58,12.32) v3(101.47,52.83) v3(101.47,50.93) v3(101.47,49.66) v3(101.47,47.12) v3(101.6,18.03) v3(101.6,15.49) v3(101.6,14.22) v3(101.6,12.32) v3(114.05,52.83) v3(114.05,50.93) v3(114.05,49.66) v3(114.05,47.12) v3(114.17,18.03) v3(114.17,15.49) v3(114.17,14.22) v3(114.17,12.32) v3(115.06,52.83) v3(115.06,49.66) v3(115.06,47.12) v3(115.19,18.03) v3(115.19,15.49) v3(115.19,12.32) v3(116.59,52.83) v3(116.59,49.66) v3(116.59,47.12) v3(116.71,18.03) v3(116.71,15.49) v3(116.71,12.32) v3(117.6,52.83) v3(117.6,50.93) v3(117.6,49.66) v3(117.6,47.12) v3(117.73,18.03) v3(117.73,15.49) v3(117.73,14.22) v3(117.73,12.32) v3(130.3,52.83) v3(130.3,50.93) v3(130.3,49.66) v3(130.3,47.12) v3(130.3,18.03) v3(130.3,15.49) v3(130.3,14.22) v3(130.3,12.32) v3(131.32,52.83) v3(131.32,49.66) v3(131.32,47.12) v3(131.32,18.03) v3(131.32,15.49) v3(131.32,12.32) v3(132.84,52.83) v3(132.84,49.66) v3(132.84,47.12) v3(132.84,18.03) v3(132.84,15.49) v3(132.84,12.32) v3(133.86,52.83) v3(133.86,50.93) v3(133.86,49.66) v3(133.86,47.12) v3(133.86,18.03) v3(133.86,15.49) v3(133.86,14.22) v3(133.86,12.32)